# EAGLE board Mk4 Final Panel 8up 2x4 (EAGLE 9.0.1), part 8 of 23
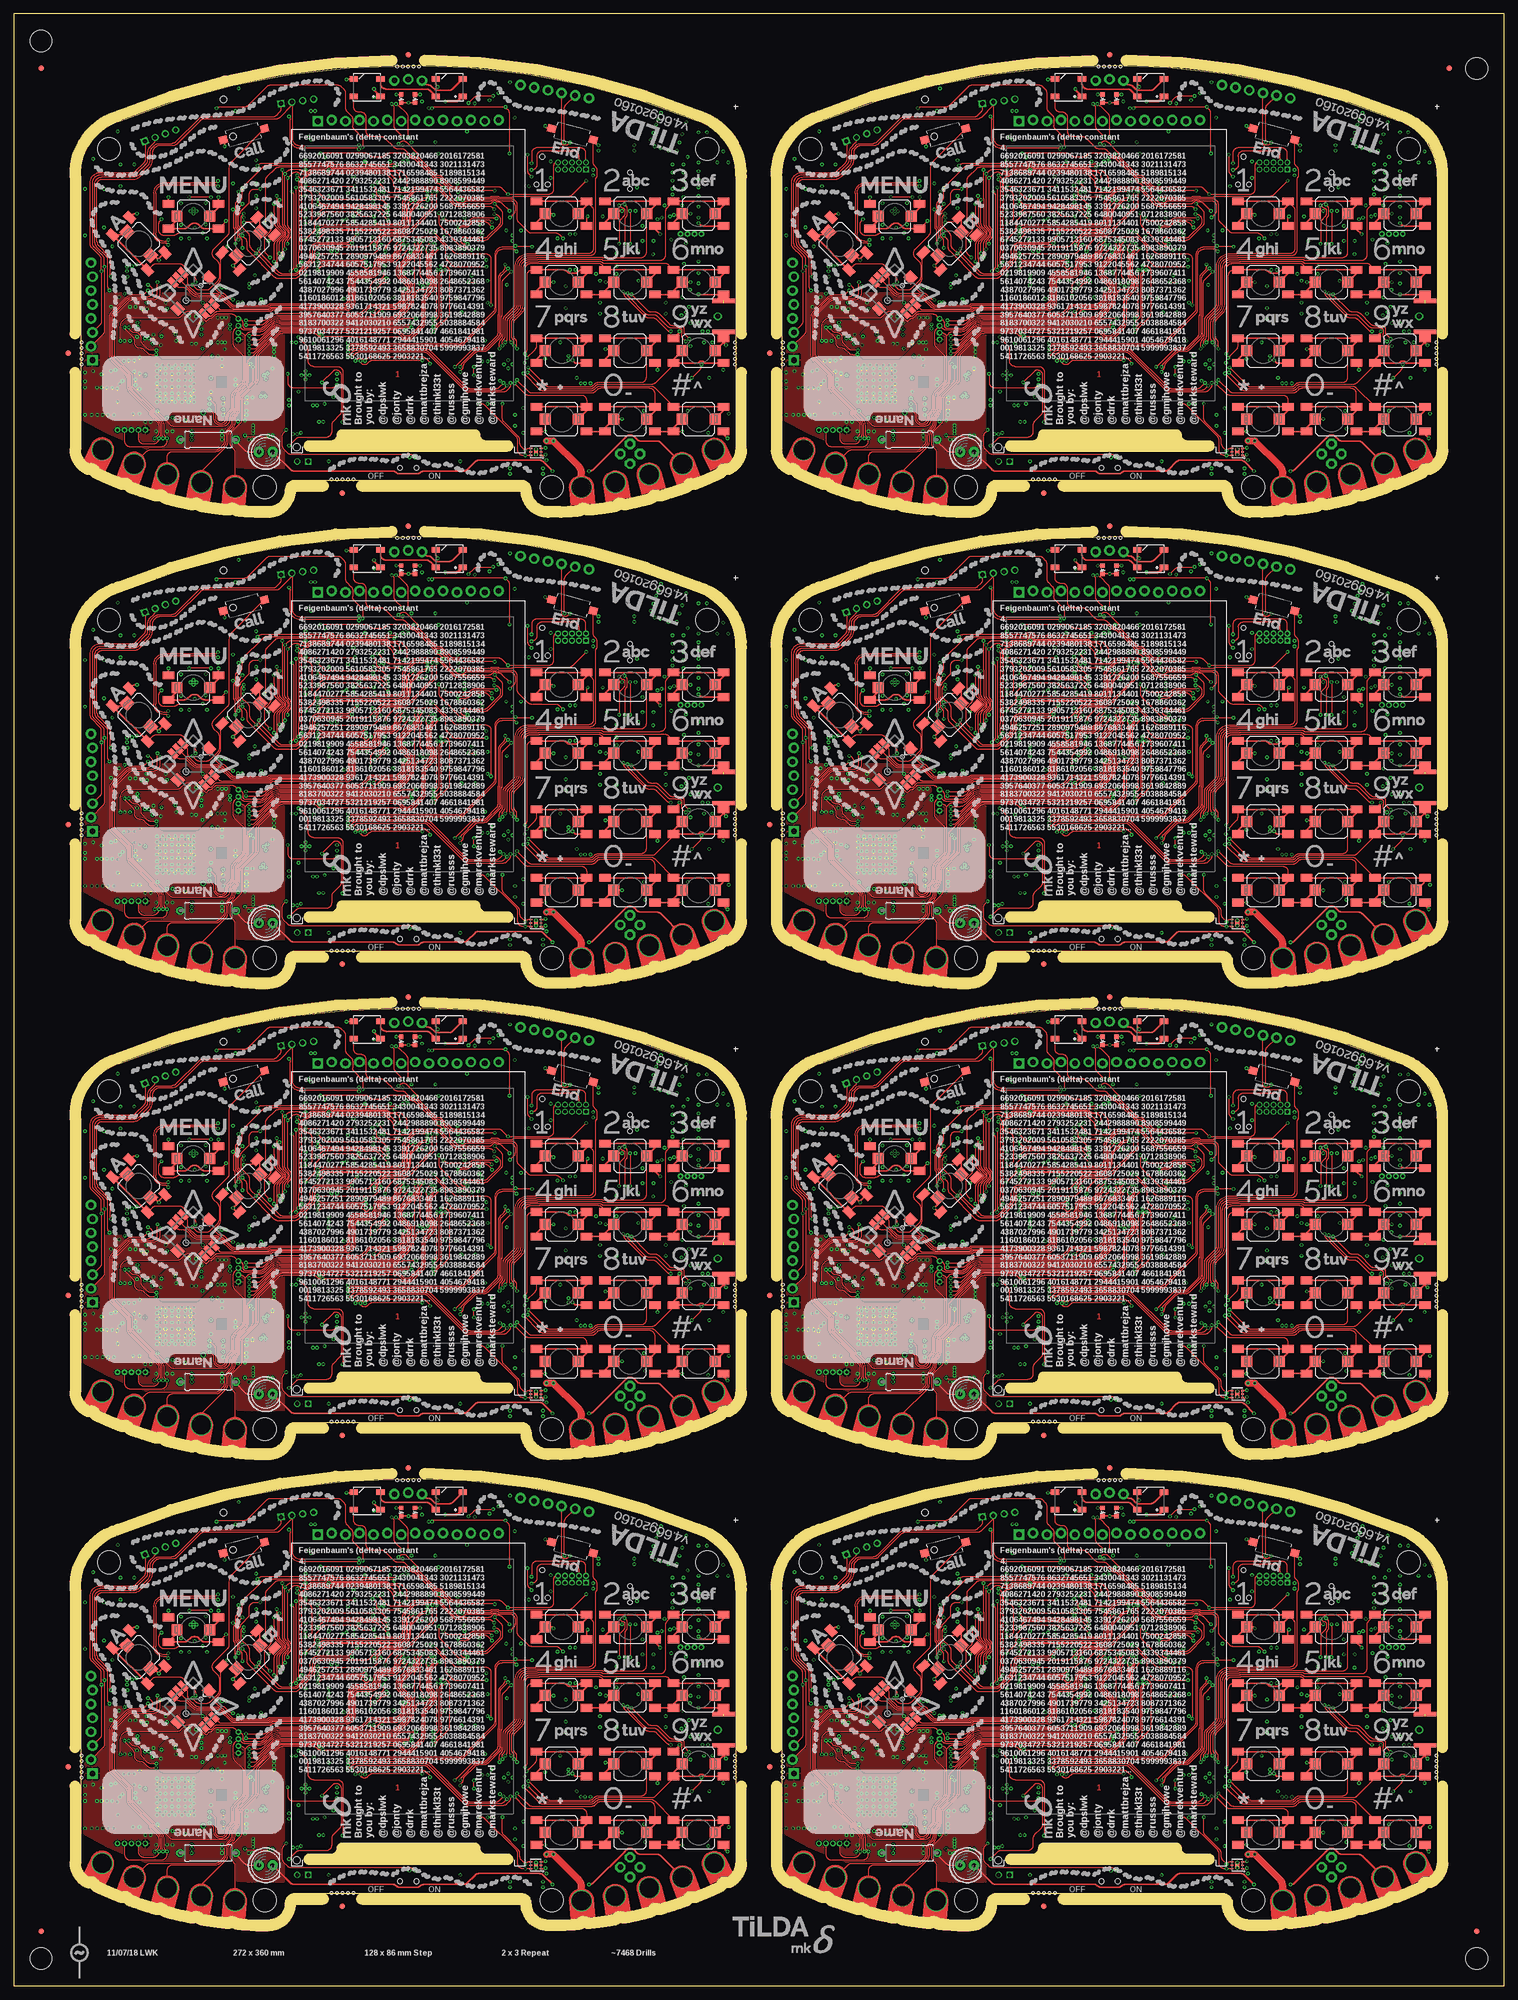
[diagram p0: board, top side]
## Tracks (layer width: path | path; a pad name or v marks a point on that pad's centre or on a via) (continued)
BT_ANT_L4
  Bottom 0.4: L41.2 arc-10 C500.2 123.28,252.22 arc85 123,252.75 arc15 ANT10.1
BT_ANT_L5
  Bottom 0.4: L50.2 arc-10 C608.2 251.28,252.22 arc85 251,252.75 arc15 ANT12.1
BT_ANT_L6
  Bottom 0.4: L59.2 arc-10 C716.2 123.28,338.22 arc85 123,338.75 arc15 ANT14.1
BT_ANT_L7
  Bottom 0.4: L68.2 arc-10 C824.2 251.28,338.22 arc85 251,338.75 arc15 ANT16.1
BTN_1  (via drill 0.3)
  Top 0.2: S1.B2 105.61,66.69 arc-45 105.9,65.99 105.9,59.25 arc-90 104.9,58.25 95.31,58.25 95.23,58.17 93.8,58.17 arc90 91.55,55.92 91.55,49.09 arc-45 91.26,48.38 89.62,46.74 arc45 89.33,46.04 89.33,43.31 arc-45 89.03,42.61 88.94,42.52 arc45 88.65,41.81 v88.65,40.85
  Top 0.3: S1.2 104.55,67.05 S1.B2 S1.B1
  Bottom 0.15: IC4.1 89,40.42 arc45 88.94,40.56 v88.65,40.85
BTN_2  (via drill 0.3)
  Top 0.2: S2.2 115.5,58.5 arc-90 114.5,57.5 107.48,57.5 107.44,57.55 95.6,57.55 95.53,57.48 94,57.48 arc90 92.25,55.73 92.25,49.01 arc-45 91.81,47.95 90.39,46.53 arc45 90.1,45.82 90.1,42.81 arc-45 89.81,42.11 v89.7,42
  Top 0.3: S2.2 117.05,67.05 S2.B2 S2.B1
  Bottom 0.15: IC4.3 90,41.29 arc45 v89.71,41.99 v89.7,42
BTN_3  (via drill 0.3)
  Top 0.2: S3.B1 119.29,66.59 arc45 119,65.89 119,58 arc-90 118,57 107.57,57 arc-45 107.43,57.06 107.35,57.14 arc45 107.21,57.2 95.75,57.2 95.67,57.12 94.1,57.12 arc90 92.6,55.62 92.6,48.97 arc-45 92.09,47.73 90.79,46.43 arc45 90.5,45.73 90.5,42.71 arc45 v90.79,42.01 v90.8,42
  Top 0.3: S3.2 129.55,67.05 S3.B2 S3.B1
  Bottom 0.15: IC4.4 90.5,41.29 arc-45 v90.79,41.99 v90.8,42
BTN_4  (via drill 0.3)
  Top 0.2: S4.B1 94.7,55.25 arc90 93.7,54.25 93.7,43.2 93.7,43 93.7,40.71 arc-45 93.41,40.01 v93.3,39.9
  Top 0.3: S4.2 104.55,54.55 S4.B2 103.76,55.25 arc45 103.06,54.96 102.89,54.8 arc-45 102.54,54.65 101.46,54.65 arc-45 101.11,54.8 100.94,54.96 arc45 100.24,55.25 S4.B1
  Bottom 0.15: IC4.7 92.65,39.25 v93.3,39.9
BTN_5  (via drill 0.3)
  Top 0.2: S5.B1 107.95,55.55 107.29,56.21 arc45 106.59,56.5 96.03,56.5 95.96,56.42 94.35,56.42 arc90 93.35,55.42 93.35,48.93 arc-45 92.69,47.34 91.59,46.24 arc45 91.3,45.54 91.3,43.19 arc45 91.59,42.48 arc-45 91.85,41.86 v91.85,40.85
  Top 0.3: S5.2 117.05,54.55 S5.B2 S5.B1
  Bottom 0.15: IC4.6 91.5,40.29 arc-45 91.65,40.65 v91.85,40.85
BTN_6  (via drill 0.3)
  Top 0.2: S6.B1 119.49,56.21 arc45 118.79,56.5 107.58,56.5 arc-45 107.44,56.56 arc45 106.73,56.85 95.89,56.85 95.81,56.77 94.25,56.77 arc90 93,55.52 93,48.97 arc-45 92.41,47.56 91.19,46.34 arc45 90.9,45.63 90.9,43.09 arc45 91.19,42.39 arc-45 91.35,42.01 91.35,41.77 91.3,41.72 v91.3,41.4
  Top 0.3: S6.2 129.55,54.55 S6.B2 S6.B1
  Bottom 0.15: IC4.5 91,40.69 arc-45 v91.29,41.39 v91.3,41.4
BTN_7  (via drill 0.3)
  Top 0.2: v93.63,39.17 95.16,40.7 arc45 95.45,41.4 S7.B1
  Top 0.3: S7.2 104.55,42.05 S7.B2 S7.B1
  Bottom 0.15: IC4.8 92.97,38.75 93.02,38.8 arc45 93.43,38.97 v93.63,39.17
BTN_8  (via drill 0.3)
  Top 0.2: S8.2 115.5,35.7 arc-90 114.5,34.7 106.71,34.7 arc45 106.01,34.41 105.79,34.19 arc-45 105.09,33.9 99.7,33.9 97.81,33.9 arc-45 97.11,34.19 v93.9,37.4
  Top 0.3: S8.2 117.05,42.05 S8.B2 S8.B1
  Bottom 0.15: IC4.10 93.01,37.75 93.03,37.73 93.16,37.73 arc-45 93.87,37.43 v93.9,37.4
BTN_9  (via drill 0.3)
  Top 0.2: v93.8,36.5 96.46,33.84 arc45 97.16,33.55 105.23,33.55 arc45 105.94,33.84 106.1,34.01 arc-45 106.81,34.3 116.39,34.3 arc45 117.09,34.59 120.45,37.95 S9.B2
  Top 0.3: S9.2 120.45,38.95 S9.B2 124.9,38.25 125.25,38.6 125.75,38.6 126.1,38.25 S9.B1
  Bottom 0.15: IC4.11 92.64,37.25 arc-45 93.34,36.96 v93.8,36.5
BTN_10  (via drill 0.3)
  Top 0.2: S10.B2 104.55,31.4 arc90 103.55,32.4 93.91,32.4 arc-45 93.21,32.69 v91.4,34.5
  Top 0.3: S10.2 104.55,29.55 S10.B2 S10.B1
  Bottom 0.15: IC4.14 91,35.31 arc45 91.15,34.95 91.26,34.84 arc-45 v91.4,34.5
BTN_11  (via drill 0.3)
  Top 0.2: S11.B2 117.05,32.6 arc90 116.05,33.6 107.11,33.6 arc45 106.41,33.31 106.19,33.09 arc-45 105.49,32.8 94.61,32.8 arc-45 93.91,33.09 v91.85,35.15
  Top 0.3: S11.2 117.05,29.55 S11.B2 S11.B1 | S11.B1 107.75,30.25 107.5,30 107.7,30 S11.B1
  Bottom 0.15: IC4.13 91.5,35.5 v91.85,35.15
BTN_12  (via drill 0.3)
  Top 0.2: S12.B1 117.04,33.66 arc45 116.34,33.95 106.95,33.95 arc45 106.25,33.66 106.08,33.49 arc-45 105.38,33.2 96.61,33.2 arc-45 95.91,33.49 v93.05,36.35
  Top 0.3: S12.2 129.26,29.26 arc45 129.55,29.96 S12.B2 S12.B1
  Bottom 0.15: IC4.12 92.65,36.75 v93.05,36.35
BTN_13  (via drill 0.3)
  Top 0.2: S21.B2 233.61,66.69 arc-45 233.9,65.99 233.9,59.25 arc-90 232.9,58.25 223.31,58.25 223.24,58.17 221.8,58.17 arc90 219.55,55.92 219.55,49.09 arc-45 219.26,48.38 217.62,46.74 arc45 217.32,46.04 217.32,43.31 arc-45 217.03,42.61 216.94,42.52 arc45 216.65,41.81 v216.65,40.85
  Top 0.3: S21.2 232.55,67.05 S21.B2 S21.B1
  Bottom 0.15: IC31.1 217,40.42 arc45 216.94,40.56 v216.65,40.85
BTN_14  (via drill 0.3)
  Top 0.2: S26.2 243.5,58.5 arc-90 242.5,57.5 235.49,57.5 235.44,57.55 223.6,57.55 223.53,57.48 222,57.48 arc90 220.25,55.73 220.25,49.01 arc-45 219.81,47.95 218.39,46.53 arc45 218.1,45.82 218.1,42.81 arc-45 217.81,42.11 v217.7,42
  Top 0.3: S26.2 245.05,67.05 S26.B2 S26.B1
  Bottom 0.15: IC31.3 218,41.29 arc45 v217.71,41.99 v217.7,42
BTN_15  (via drill 0.3)
  Top 0.2: S30.B1 247.29,66.59 arc45 247,65.89 247,58 arc-90 246,57 235.57,57 arc-45 235.43,57.06 235.35,57.14 arc45 235.21,57.2 223.75,57.2 223.67,57.12 222.1,57.12 arc90 220.6,55.62 220.6,48.97 arc-45 220.09,47.73 218.79,46.43 arc45 218.5,45.73 218.5,42.71 arc45 v218.79,42.01 v218.8,42
  Top 0.3: S30.2 257.55,67.05 S30.B2 S30.B1
  Bottom 0.15: IC31.4 218.5,41.29 arc-45 v218.79,41.99 v218.8,42
BTN_16  (via drill 0.3)
  Top 0.2: S25.B2 232.55,31.4 arc90 231.55,32.4 221.91,32.4 arc-45 221.21,32.69 v219.4,34.5
  Top 0.3: S25.2 232.55,29.55 S25.B2 S25.B1
  Bottom 0.15: IC31.14 219,35.31 arc45 219.15,34.95 219.26,34.84 arc-45 v219.4,34.5
BTN_17  (via drill 0.3)
  Top 0.2: S27.B1 235.95,55.55 235.29,56.21 arc45 234.59,56.5 224.03,56.5 223.96,56.42 222.35,56.42 arc90 221.35,55.42 221.35,48.93 arc-45 220.69,47.34 219.59,46.24 arc45 219.3,45.54 219.3,43.19 arc45 219.59,42.48 arc-45 219.85,41.86 v219.85,40.85
  Top 0.3: S27.2 245.05,54.55 S27.B2 S27.B1
  Bottom 0.15: IC31.6 219.5,40.29 arc-45 219.65,40.65 v219.85,40.85
BTN_18  (via drill 0.3)
  Top 0.2: S28.2 243.5,35.7 arc-90 242.5,34.7 234.71,34.7 arc45 234.01,34.41 233.79,34.19 arc-45 233.09,33.9 225.81,33.9 arc-45 225.11,34.19 v221.9,37.4
  Top 0.3: S28.2 245.05,42.05 S28.B2 S28.B1
  Bottom 0.15: IC31.10 221.01,37.75 221.03,37.73 221.16,37.73 arc-45 221.87,37.43 v221.9,37.4
BTN_19  (via drill 0.3)
  Top 0.2: S29.B2 245.05,32.6 arc90 244.05,33.6 235.11,33.6 arc45 234.41,33.31 234.19,33.09 arc-45 233.49,32.8 222.61,32.8 arc-45 221.91,33.09 v219.85,35.15
  Top 0.3: S29.2 245.05,29.55 S29.B2 S29.B1 | S29.B1 235.75,30.25 235.5,30 235.7,30 S29.B1
  Bottom 0.15: IC31.13 219.5,35.5 v219.85,35.15
BTN_20  (via drill 0.3)
  Top 0.2: S31.B1 247.49,56.21 arc45 246.79,56.5 235.58,56.5 arc-45 235.44,56.56 arc45 234.73,56.85 223.89,56.85 223.81,56.77 222.25,56.77 arc90 221,55.52 221,48.97 arc-45 220.41,47.56 219.19,46.34 arc45 218.9,45.63 218.9,43.09 arc45 219.19,42.39 arc-45 219.35,42.01 219.35,41.77 219.3,41.72 v219.3,41.4
  Top 0.3: S31.2 257.55,54.55 S31.B2 S31.B1
  Bottom 0.15: IC31.5 219,40.69 arc-45 v219.29,41.39 v219.3,41.4
BTN_21  (via drill 0.3)
  Top 0.2: v221.8,36.5 224.46,33.84 arc45 225.16,33.55 233.23,33.55 arc45 233.94,33.84 234.1,34.01 arc-45 234.81,34.3 244.39,34.3 arc45 245.09,34.59 248.45,37.95 S32.B2
  Top 0.3: S32.2 248.45,38.95 S32.B2 252.9,38.25 253.25,38.6 253.75,38.6 254.1,38.25 S32.B1
  Bottom 0.15: IC31.11 220.64,37.25 arc-45 221.34,36.96 v221.8,36.5
BTN_22  (via drill 0.3)
  Top 0.2: S33.B1 245.04,33.66 arc45 244.34,33.95 234.95,33.95 arc45 234.25,33.66 234.08,33.49 arc-45 233.38,33.2 224.61,33.2 arc-45 223.91,33.49 v221.05,36.35
  Top 0.3: S33.2 257.26,29.26 arc45 257.55,29.96 S33.B2 S33.B1
  Bottom 0.15: IC31.12 220.65,36.75 v221.05,36.35
BTN_23  (via drill 0.3)
  Top 0.2: S23.B1 222.7,55.25 arc90 221.7,54.25 221.7,40.71 arc-45 221.41,40.01 v221.3,39.9
  Top 0.3: S23.2 232.55,54.55 S23.B2 231.76,55.25 arc45 231.06,54.96 230.9,54.8 arc-45 230.54,54.65 229.46,54.65 arc-45 229.1,54.8 228.94,54.96 arc45 228.24,55.25 S23.B1
  Bottom 0.15: IC31.7 220.65,39.25 v221.3,39.9
BTN_24  (via drill 0.3)
  Top 0.2: v221.63,39.17 223.16,40.7 arc45 223.45,41.4 S24.B1
  Top 0.3: S24.2 232.55,42.05 S24.B2 S24.B1
  Bottom 0.15: IC31.8 220.97,38.75 221.02,38.8 arc45 221.43,38.97 v221.63,39.17
BTN_25  (via drill 0.3)
  Top 0.2: S43.B2 105.61,152.69 arc-45 105.9,151.99 105.9,145.25 arc-90 104.9,144.25 95.31,144.25 95.23,144.18 93.8,144.18 arc90 91.55,141.93 91.55,135.09 arc-45 91.26,134.38 89.62,132.74 arc45 89.33,132.04 89.33,129.31 arc-45 89.03,128.61 88.94,128.52 arc45 88.65,127.81 v88.65,126.85
  Top 0.3: S43.2 104.55,153.05 S43.B2 S43.B1
  Bottom 0.15: IC49.1 89,126.42 arc45 88.94,126.56 v88.65,126.85
BTN_26  (via drill 0.3)
  Top 0.2: S47.2 115.5,144.5 arc-90 114.5,143.5 107.48,143.5 107.44,143.55 95.6,143.55 95.53,143.47 94,143.47 arc90 92.25,141.72 92.25,135.01 arc-45 91.81,133.95 90.39,132.53 arc45 90.1,131.82 90.1,128.81 arc-45 89.81,128.11 v89.7,128
  Top 0.3: S47.2 117.05,153.05 S47.B2 S47.B1
  Bottom 0.15: IC49.3 90,127.29 arc45 v89.71,127.99 v89.7,128
BTN_27  (via drill 0.3)
  Top 0.2: S51.B1 119.29,152.59 arc45 119,151.89 119,144 arc-90 118,143 107.57,143 arc-45 107.43,143.06 107.35,143.14 arc45 107.21,143.2 95.75,143.2 95.67,143.12 94.1,143.12 arc90 92.6,141.62 92.6,134.97 arc-45 92.09,133.73 90.79,132.43 arc45 90.5,131.73 90.5,128.71 arc45 v90.79,128.01 v90.8,128
  Top 0.3: S51.2 129.55,153.05 S51.B2 S51.B1
  Bottom 0.15: IC49.4 90.5,127.29 arc-45 v90.79,127.99 v90.8,128
BTN_28  (via drill 0.3)
  Top 0.2: S46.B2 104.55,117.4 arc90 103.55,118.4 93.91,118.4 arc-45 93.21,118.69 v91.4,120.5
  Top 0.3: S46.2 104.55,115.55 S46.B2 S46.B1
  Bottom 0.15: IC49.14 91,121.31 arc45 91.15,120.95 91.26,120.84 arc-45 v91.4,120.5
BTN_29  (via drill 0.3)
  Top 0.2: S48.B1 107.95,141.55 107.29,142.21 arc45 106.59,142.5 96.03,142.5 95.96,142.43 94.35,142.43 arc90 93.35,141.43 93.35,134.93 arc-45 92.69,133.34 91.59,132.24 arc45 91.3,131.54 91.3,129.19 arc45 91.59,128.48 arc-45 91.85,127.86 v91.85,126.85
  Top 0.3: S48.2 117.05,140.55 S48.B2 S48.B1
  Bottom 0.15: IC49.6 91.5,126.29 arc-45 91.65,126.65 v91.85,126.85
BTN_30  (via drill 0.3)
  Top 0.2: S49.2 115.5,121.7 arc-90 114.5,120.7 106.71,120.7 arc45 106.01,120.41 105.79,120.19 arc-45 105.09,119.9 97.81,119.9 arc-45 97.11,120.19 v93.9,123.4
  Top 0.3: S49.2 117.05,128.05 S49.B2 S49.B1
  Bottom 0.15: IC49.10 93.01,123.75 93.03,123.72 93.16,123.72 arc-45 93.87,123.43 v93.9,123.4
BTN_31  (via drill 0.3)
  Top 0.2: S50.B2 117.05,118.6 arc90 116.05,119.6 107.11,119.6 arc45 106.41,119.31 106.19,119.09 arc-45 105.49,118.8 94.61,118.8 arc-45 93.91,119.09 v91.85,121.15
  Top 0.3: S50.2 117.05,115.55 S50.B2 S50.B1 | S50.B1 107.75,116.25 107.5,116 107.7,116 S50.B1
  Bottom 0.15: IC49.13 91.5,121.5 v91.85,121.15
BTN_32  (via drill 0.3)
  Top 0.2: S52.B1 119.49,142.21 arc45 118.79,142.5 107.58,142.5 arc-45 107.44,142.56 arc45 106.73,142.85 95.89,142.85 95.81,142.78 94.25,142.78 arc90 93,141.53 93,134.97 arc-45 92.41,133.56 91.19,132.34 arc45 90.9,131.63 90.9,129.09 arc45 91.19,128.38 arc-45 91.35,128.01 91.35,127.77 91.3,127.72 v91.3,127.4
  Top 0.3: S52.2 129.55,140.55 S52.B2 S52.B1
  Bottom 0.15: IC49.5 91,126.69 arc-45 v91.29,127.39 v91.3,127.4
BTN_33  (via drill 0.3)
  Top 0.2: v93.8,122.5 96.46,119.84 arc45 97.16,119.55 105.23,119.55 arc45 105.94,119.84 106.1,120.01 arc-45 106.81,120.3 116.39,120.3 arc45 117.09,120.59 120.45,123.95 S53.B2
  Top 0.3: S53.2 120.45,124.95 S53.B2 124.9,124.25 125.25,124.6 125.75,124.6 126.1,124.25 S53.B1
  Bottom 0.15: IC49.11 92.64,123.25 arc-45 93.34,122.96 v93.8,122.5
BTN_34  (via drill 0.3)
  Top 0.2: S54.B1 117.04,119.66 arc45 116.34,119.95 106.95,119.95 arc45 106.25,119.66 106.08,119.49 arc-45 105.38,119.2 96.61,119.2 arc-45 95.91,119.49 v93.05,122.35
  Top 0.3: S54.2 129.26,115.26 arc45 129.55,115.96 S54.B2 S54.B1
  Bottom 0.15: IC49.12 92.65,122.75 v93.05,122.35
BTN_35  (via drill 0.3)
  Top 0.2: S44.B1 94.7,141.25 arc90 93.7,140.25 93.7,126.71 arc-45 93.41,126.01 v93.3,125.9
  Top 0.3: S44.2 104.55,140.55 S44.B2 103.76,141.25 arc45 103.06,140.96 102.89,140.8 arc-45 102.54,140.65 101.46,140.65 arc-45 101.11,140.8 100.94,140.96 arc45 100.24,141.25 S44.B1
  Bottom 0.15: IC49.7 92.65,125.25 v93.3,125.9
BTN_36  (via drill 0.3)
  Top 0.2: v93.63,125.17 95.16,126.7 arc45 95.45,127.4 S45.B1
  Top 0.3: S45.2 104.55,128.05 S45.B2 S45.B1
  Bottom 0.15: IC49.8 92.97,124.75 93.02,124.8 arc45 93.43,124.97 v93.63,125.17
BTN_37  (via drill 0.3)
  Top 0.2: S64.B2 233.61,152.69 arc-45 233.9,151.99 233.9,145.25 arc-90 232.9,144.25 223.31,144.25 223.24,144.18 221.8,144.18 arc90 219.55,141.93 219.55,135.09 arc-45 219.26,134.38 217.62,132.74 arc45 217.32,132.04 217.32,129.31 arc-45 217.03,128.61 216.94,128.52 arc45 216.65,127.81 v216.65,126.85
  Top 0.3: S64.2 232.55,153.05 S64.B2 S64.B1
  Bottom 0.15: IC67.1 217,126.42 arc45 216.94,126.56 v216.65,126.85
BTN_38  (via drill 0.3)
  Top 0.2: S68.2 243.5,144.5 arc-90 242.5,143.5 235.49,143.5 235.44,143.55 223.6,143.55 223.53,143.47 222,143.47 arc90 220.25,141.72 220.25,135.01 arc-45 219.81,133.95 218.39,132.53 arc45 218.1,131.82 218.1,128.81 arc-45 217.81,128.11 v217.7,128
  Top 0.3: S68.2 245.05,153.05 S68.B2 S68.B1
  Bottom 0.15: IC67.3 218,127.29 arc45 v217.71,127.99 v217.7,128
BTN_39  (via drill 0.3)
  Top 0.2: S72.B1 247.29,152.59 arc45 247,151.89 247,144 arc-90 246,143 235.57,143 arc-45 235.43,143.06 235.35,143.14 arc45 235.21,143.2 223.75,143.2 223.67,143.12 222.1,143.12 arc90 220.6,141.62 220.6,134.97 arc-45 220.09,133.73 218.79,132.43 arc45 218.5,131.73 218.5,128.71 arc45 v218.79,128.01 v218.8,128
  Top 0.3: S72.2 257.55,153.05 S72.B2 S72.B1
  Bottom 0.15: IC67.4 218.5,127.29 arc-45 v218.79,127.99 v218.8,128
BTN_40  (via drill 0.3)
  Top 0.2: S67.B2 232.55,117.4 arc90 231.55,118.4 221.91,118.4 arc-45 221.21,118.69 v219.4,120.5
  Top 0.3: S67.2 232.55,115.55 S67.B2 S67.B1
  Bottom 0.15: IC67.14 219,121.31 arc45 219.15,120.95 219.26,120.84 arc-45 v219.4,120.5
BTN_41  (via drill 0.3)
  Top 0.2: S69.B1 235.95,141.55 235.29,142.21 arc45 234.59,142.5 224.03,142.5 223.96,142.43 222.35,142.43 arc90 221.35,141.43 221.35,134.93 arc-45 220.69,133.34 219.59,132.24 arc45 219.3,131.54 219.3,129.19 arc45 219.59,128.48 arc-45 219.85,127.86 v219.85,126.85
  Top 0.3: S69.2 245.05,140.55 S69.B2 S69.B1
  Bottom 0.15: IC67.6 219.5,126.29 arc-45 219.65,126.65 v219.85,126.85
BTN_42  (via drill 0.3)
  Top 0.2: S70.2 243.5,121.7 arc-90 242.5,120.7 234.71,120.7 arc45 234.01,120.41 233.79,120.19 arc-45 233.09,119.9 225.81,119.9 arc-45 225.11,120.19 v221.9,123.4
  Top 0.3: S70.2 245.05,128.05 S70.B2 S70.B1
  Bottom 0.15: IC67.10 221.01,123.75 221.03,123.72 221.16,123.72 arc-45 221.87,123.43 v221.9,123.4
BTN_43  (via drill 0.3)
  Top 0.2: S71.B2 245.05,118.6 arc90 244.05,119.6 235.11,119.6 arc45 234.41,119.31 234.19,119.09 arc-45 233.49,118.8 222.61,118.8 arc-45 221.91,119.09 v219.85,121.15
  Top 0.3: S71.2 245.05,115.55 S71.B2 S71.B1 | S71.B1 235.75,116.25 235.5,116 235.7,116 S71.B1
  Bottom 0.15: IC67.13 219.5,121.5 v219.85,121.15
BTN_44  (via drill 0.3)
  Top 0.2: S73.B1 247.49,142.21 arc45 246.79,142.5 235.58,142.5 arc-45 235.44,142.56 arc45 234.73,142.85 223.89,142.85 223.81,142.78 222.25,142.78 arc90 221,141.53 221,134.97 arc-45 220.41,133.56 219.19,132.34 arc45 218.9,131.63 218.9,129.09 arc45 219.19,128.38 arc-45 219.35,128.01 219.35,127.77 219.3,127.72 v219.3,127.4
  Top 0.3: S73.2 257.55,140.55 S73.B2 S73.B1
  Bottom 0.15: IC67.5 219,126.69 arc-45 v219.29,127.39 v219.3,127.4
BTN_45  (via drill 0.3)
  Top 0.2: v221.8,122.5 224.46,119.84 arc45 225.16,119.55 233.23,119.55 arc45 233.94,119.84 234.1,120.01 arc-45 234.81,120.3 244.39,120.3 arc45 245.09,120.59 248.45,123.95 S74.B2
  Top 0.3: S74.2 248.45,124.95 S74.B2 252.9,124.25 253.25,124.6 253.75,124.6 254.1,124.25 S74.B1
  Bottom 0.15: IC67.11 220.64,123.25 arc-45 221.34,122.96 v221.8,122.5
BTN_46  (via drill 0.3)
  Top 0.2: S75.B1 245.04,119.66 arc45 244.34,119.95 234.95,119.95 arc45 234.25,119.66 234.08,119.49 arc-45 233.38,119.2 224.61,119.2 arc-45 223.91,119.49 v221.05,122.35
  Top 0.3: S75.2 257.26,115.26 arc45 257.55,115.96 S75.B2 S75.B1
  Bottom 0.15: IC67.12 220.65,122.75 v221.05,122.35
BTN_47  (via drill 0.3)
  Top 0.2: S65.B1 222.7,141.25 arc90 221.7,140.25 221.7,126.71 arc-45 221.41,126.01 v221.3,125.9
  Top 0.3: S65.2 232.55,140.55 S65.B2 231.76,141.25 arc45 231.06,140.96 230.9,140.8 arc-45 230.54,140.65 229.46,140.65 arc-45 229.1,140.8 228.94,140.96 arc45 228.24,141.25 S65.B1
  Bottom 0.15: IC67.7 220.65,125.25 v221.3,125.9
BTN_48  (via drill 0.3)
  Top 0.2: v221.63,125.17 223.16,126.7 arc45 223.45,127.4 S66.B1
  Top 0.3: S66.2 232.55,128.05 S66.B2 S66.B1
  Bottom 0.15: IC67.8 220.97,124.75 221.02,124.8 arc45 221.43,124.97 v221.63,125.17
BTN_49  (via drill 0.3)
  Top 0.2: S85.B2 105.61,238.69 arc-45 105.9,237.99 105.9,231.25 arc-90 104.9,230.25 95.31,230.25 95.23,230.18 93.8,230.18 arc90 91.55,227.93 91.55,221.09 arc-45 91.26,220.38 89.62,218.74 arc45 89.33,218.04 89.33,215.31 arc-45 89.03,214.6 88.94,214.52 arc45 88.65,213.81 v88.65,212.85
  Top 0.3: S85.2 104.55,239.05 S85.B2 S85.B1
  Bottom 0.15: IC85.1 89,212.42 arc45 88.94,212.56 v88.65,212.85
BTN_50  (via drill 0.3)
  Top 0.2: S89.2 115.5,230.5 arc-90 114.5,229.5 107.48,229.5 107.44,229.55 95.6,229.55 95.53,229.47 94,229.47 arc90 92.25,227.72 92.25,221.01 arc-45 91.81,219.95 90.39,218.53 arc45 90.1,217.82 90.1,214.81 arc-45 89.81,214.11 v89.7,214
  Top 0.3: S89.2 117.05,239.05 S89.B2 S89.B1
  Bottom 0.15: IC85.3 90,213.29 arc45 v89.71,213.99 v89.7,214
BTN_51  (via drill 0.3)
  Top 0.2: S93.B1 119.29,238.59 arc45 119,237.89 119,230 arc-90 118,229 107.57,229 arc-45 107.43,229.06 107.35,229.14 arc45 107.21,229.2 95.75,229.2 95.67,229.12 94.1,229.12 arc90 92.6,227.62 92.6,220.97 arc-45 92.09,219.73 90.79,218.43 arc45 90.5,217.73 90.5,214.71 arc45 v90.79,214.01 v90.8,214
  Top 0.3: S93.2 129.55,239.05 S93.B2 S93.B1
  Bottom 0.15: IC85.4 90.5,213.29 arc-45 v90.79,213.99 v90.8,214
BTN_52  (via drill 0.3)
  Top 0.2: S88.B2 104.55,203.4 arc90 103.55,204.4 93.91,204.4 arc-45 93.21,204.69 v91.4,206.5
  Top 0.3: S88.2 104.55,201.55 S88.B2 S88.B1
  Bottom 0.15: IC85.14 91,207.31 arc45 91.15,206.95 91.26,206.84 arc-45 v91.4,206.5
BTN_53  (via drill 0.3)
  Top 0.2: S90.B1 107.95,227.55 107.29,228.21 arc45 106.59,228.5 96.03,228.5 95.96,228.43 94.35,228.43 arc90 93.35,227.43 93.35,220.93 arc-45 92.69,219.34 91.59,218.24 arc45 91.3,217.54 91.3,215.19 arc45 91.59,214.48 arc-45 91.85,213.86 v91.85,212.85
  Top 0.3: S90.2 117.05,226.55 S90.B2 S90.B1
  Bottom 0.15: IC85.6 91.5,212.29 arc-45 91.65,212.65 v91.85,212.85
BTN_54  (via drill 0.3)
  Top 0.2: S91.2 115.5,207.7 arc-90 114.5,206.7 106.71,206.7 arc45 106.01,206.41 105.79,206.19 arc-45 105.09,205.9 97.81,205.9 arc-45 97.11,206.19 v93.9,209.4
  Top 0.3: S91.2 117.05,214.05 S91.B2 S91.B1
  Bottom 0.15: IC85.10 93.01,209.75 93.03,209.72 93.16,209.72 arc-45 93.87,209.43 v93.9,209.4
BTN_55  (via drill 0.3)
  Top 0.2: S92.B2 117.05,204.6 arc90 116.05,205.6 107.11,205.6 arc45 106.41,205.31 106.19,205.09 arc-45 105.49,204.8 94.61,204.8 arc-45 93.91,205.09 v91.85,207.15
  Top 0.3: S92.2 117.05,201.55 S92.B2 S92.B1 | S92.B1 107.75,202.25 107.5,202 107.7,202 S92.B1
  Bottom 0.15: IC85.13 91.5,207.5 v91.85,207.15
BTN_56  (via drill 0.3)
  Top 0.2: S94.B1 119.49,228.21 arc45 118.79,228.5 107.58,228.5 arc-45 107.44,228.56 arc45 106.73,228.85 95.89,228.85 95.81,228.78 94.25,228.78 arc90 93,227.53 93,220.97 arc-45 92.41,219.56 91.19,218.34 arc45 90.9,217.63 90.9,215.09 arc45 91.19,214.38 arc-45 91.35,214.01 91.35,213.77 91.3,213.72 v91.3,213.4
  Top 0.3: S94.2 129.55,226.55 S94.B2 S94.B1
  Bottom 0.15: IC85.5 91,212.69 arc-45 v91.29,213.39 v91.3,213.4
BTN_57  (via drill 0.3)
  Top 0.2: v93.8,208.5 96.46,205.84 arc45 97.16,205.55 105.23,205.55 arc45 105.94,205.84 106.1,206.01 arc-45 106.81,206.3 116.39,206.3 arc45 117.09,206.59 120.45,209.95 S95.B2
  Top 0.3: S95.2 120.45,210.95 S95.B2 124.9,210.25 125.25,210.6 125.75,210.6 126.1,210.25 S95.B1
  Bottom 0.15: IC85.11 92.64,209.25 arc-45 93.34,208.96 v93.8,208.5
BTN_58  (via drill 0.3)
  Top 0.2: S96.B1 117.04,205.66 arc45 116.34,205.95 106.95,205.95 arc45 106.25,205.66 106.08,205.49 arc-45 105.38,205.2 96.61,205.2 arc-45 95.91,205.49 v93.05,208.35
  Top 0.3: S96.2 129.26,201.26 arc45 129.55,201.96 S96.B2 S96.B1
  Bottom 0.15: IC85.12 92.65,208.75 v93.05,208.35
BTN_59  (via drill 0.3)
  Top 0.2: S86.B1 94.7,227.25 arc90 93.7,226.25 93.7,212.71 arc-45 93.41,212.01 v93.3,211.9
  Top 0.3: S86.2 104.55,226.55 S86.B2 103.76,227.25 arc45 103.06,226.96 102.89,226.8 arc-45 102.54,226.65 101.46,226.65 arc-45 101.11,226.8 100.94,226.96 arc45 100.24,227.25 S86.B1
  Bottom 0.15: IC85.7 92.65,211.25 v93.3,211.9
BTN_60  (via drill 0.3)
  Top 0.2: v93.63,211.17 95.16,212.7 arc45 95.45,213.4 S87.B1
  Top 0.3: S87.2 104.55,214.05 S87.B2 S87.B1
  Bottom 0.15: IC85.8 92.97,210.75 93.02,210.8 arc45 93.43,210.97 v93.63,211.17
BTN_61  (via drill 0.3)
  Top 0.2: S106.B2 233.61,238.69 arc-45 233.9,237.99 233.9,231.25 arc-90 232.9,230.25 223.31,230.25 223.24,230.18 221.8,230.18 arc90 219.55,227.93 219.55,221.09 arc-45 219.26,220.38 217.62,218.74 arc45 217.32,218.04 217.32,215.31 arc-45 217.03,214.6 216.94,214.52 arc45 216.65,213.81 v216.65,212.85
  Top 0.3: S106.2 232.55,239.05 S106.B2 S106.B1
  Bottom 0.15: IC103.1 217,212.42 arc45 216.94,212.56 v216.65,212.85
BTN_62  (via drill 0.3)
  Top 0.2: S110.2 243.5,230.5 arc-90 242.5,229.5 235.49,229.5 235.44,229.55 223.6,229.55 223.53,229.47 222,229.47 arc90 220.25,227.72 220.25,221.01 arc-45 219.81,219.95 218.39,218.53 arc45 218.1,217.82 218.1,214.81 arc-45 217.81,214.11 v217.7,214
  Top 0.3: S110.2 245.05,239.05 S110.B2 S110.B1
  Bottom 0.15: IC103.3 218,213.29 arc45 v217.71,213.99 v217.7,214
BTN_63  (via drill 0.3)
  Top 0.2: S114.B1 247.29,238.59 arc45 247,237.89 247,230 arc-90 246,229 235.57,229 arc-45 235.43,229.06 235.35,229.14 arc45 235.21,229.2 223.75,229.2 223.67,229.12 222.1,229.12 arc90 220.6,227.62 220.6,220.97 arc-45 220.09,219.73 218.79,218.43 arc45 218.5,217.73 218.5,214.71 arc45 v218.79,214.01 v218.8,214
  Top 0.3: S114.2 257.55,239.05 S114.B2 S114.B1
  Bottom 0.15: IC103.4 218.5,213.29 arc-45 v218.79,213.99 v218.8,214
BTN_64  (via drill 0.3)
  Top 0.2: S109.B2 232.55,203.4 arc90 231.55,204.4 221.91,204.4 arc-45 221.21,204.69 v219.4,206.5
  Top 0.3: S109.2 232.55,201.55 S109.B2 S109.B1
  Bottom 0.15: IC103.14 219,207.31 arc45 219.15,206.95 219.26,206.84 arc-45 v219.4,206.5
BTN_65  (via drill 0.3)
  Top 0.2: S111.B1 235.95,227.55 235.29,228.21 arc45 234.59,228.5 224.03,228.5 223.96,228.43 222.35,228.43 arc90 221.35,227.43 221.35,220.93 arc-45 220.69,219.34 219.59,218.24 arc45 219.3,217.54 219.3,215.19 arc45 219.59,214.48 arc-45 219.85,213.86 v219.85,212.85
  Top 0.3: S111.2 245.05,226.55 S111.B2 S111.B1
  Bottom 0.15: IC103.6 219.5,212.29 arc-45 219.65,212.65 v219.85,212.85
BTN_66  (via drill 0.3)
  Top 0.2: S112.2 243.5,207.7 arc-90 242.5,206.7 234.71,206.7 arc45 234.01,206.41 233.79,206.19 arc-45 233.09,205.9 225.81,205.9 arc-45 225.11,206.19 v221.9,209.4
  Top 0.3: S112.2 245.05,214.05 S112.B2 S112.B1
  Bottom 0.15: IC103.10 221.01,209.75 221.03,209.72 221.16,209.72 arc-45 221.87,209.43 v221.9,209.4
BTN_67  (via drill 0.3)
  Top 0.2: S113.B2 245.05,204.6 arc90 244.05,205.6 235.11,205.6 arc45 234.41,205.31 234.19,205.09 arc-45 233.49,204.8 222.61,204.8 arc-45 221.91,205.09 v219.85,207.15
  Top 0.3: S113.2 245.05,201.55 S113.B2 S113.B1 | S113.B1 235.75,202.25 235.5,202 235.7,202 S113.B1
  Bottom 0.15: IC103.13 219.5,207.5 v219.85,207.15
BTN_68  (via drill 0.3)
  Top 0.2: S115.B1 247.49,228.21 arc45 246.79,228.5 235.58,228.5 arc-45 235.44,228.56 arc45 234.73,228.85 223.89,228.85 223.81,228.78 222.25,228.78 arc90 221,227.53 221,220.97 arc-45 220.41,219.56 219.19,218.34 arc45 218.9,217.63 218.9,215.09 arc45 219.19,214.38 arc-45 219.35,214.01 219.35,213.77 219.3,213.72 v219.3,213.4
  Top 0.3: S115.2 257.55,226.55 S115.B2 S115.B1
  Bottom 0.15: IC103.5 219,212.69 arc-45 v219.29,213.39 v219.3,213.4
BTN_69  (via drill 0.3)
  Top 0.2: v221.8,208.5 224.46,205.84 arc45 225.16,205.55 233.23,205.55 arc45 233.94,205.84 234.1,206.01 arc-45 234.81,206.3 244.39,206.3 arc45 245.09,206.59 248.45,209.95 S116.B2
  Top 0.3: S116.2 248.45,210.95 S116.B2 252.9,210.25 253.25,210.6 253.75,210.6 254.1,210.25 S116.B1
  Bottom 0.15: IC103.11 220.64,209.25 arc-45 221.34,208.96 v221.8,208.5
BTN_70  (via drill 0.3)
  Top 0.2: S117.B1 245.04,205.66 arc45 244.34,205.95 234.95,205.95 arc45 234.25,205.66 234.08,205.49 arc-45 233.38,205.2 224.61,205.2 arc-45 223.91,205.49 v221.05,208.35